# Altium PCB PCB_Template.PcbDoc (part 2 of 6) (continued)
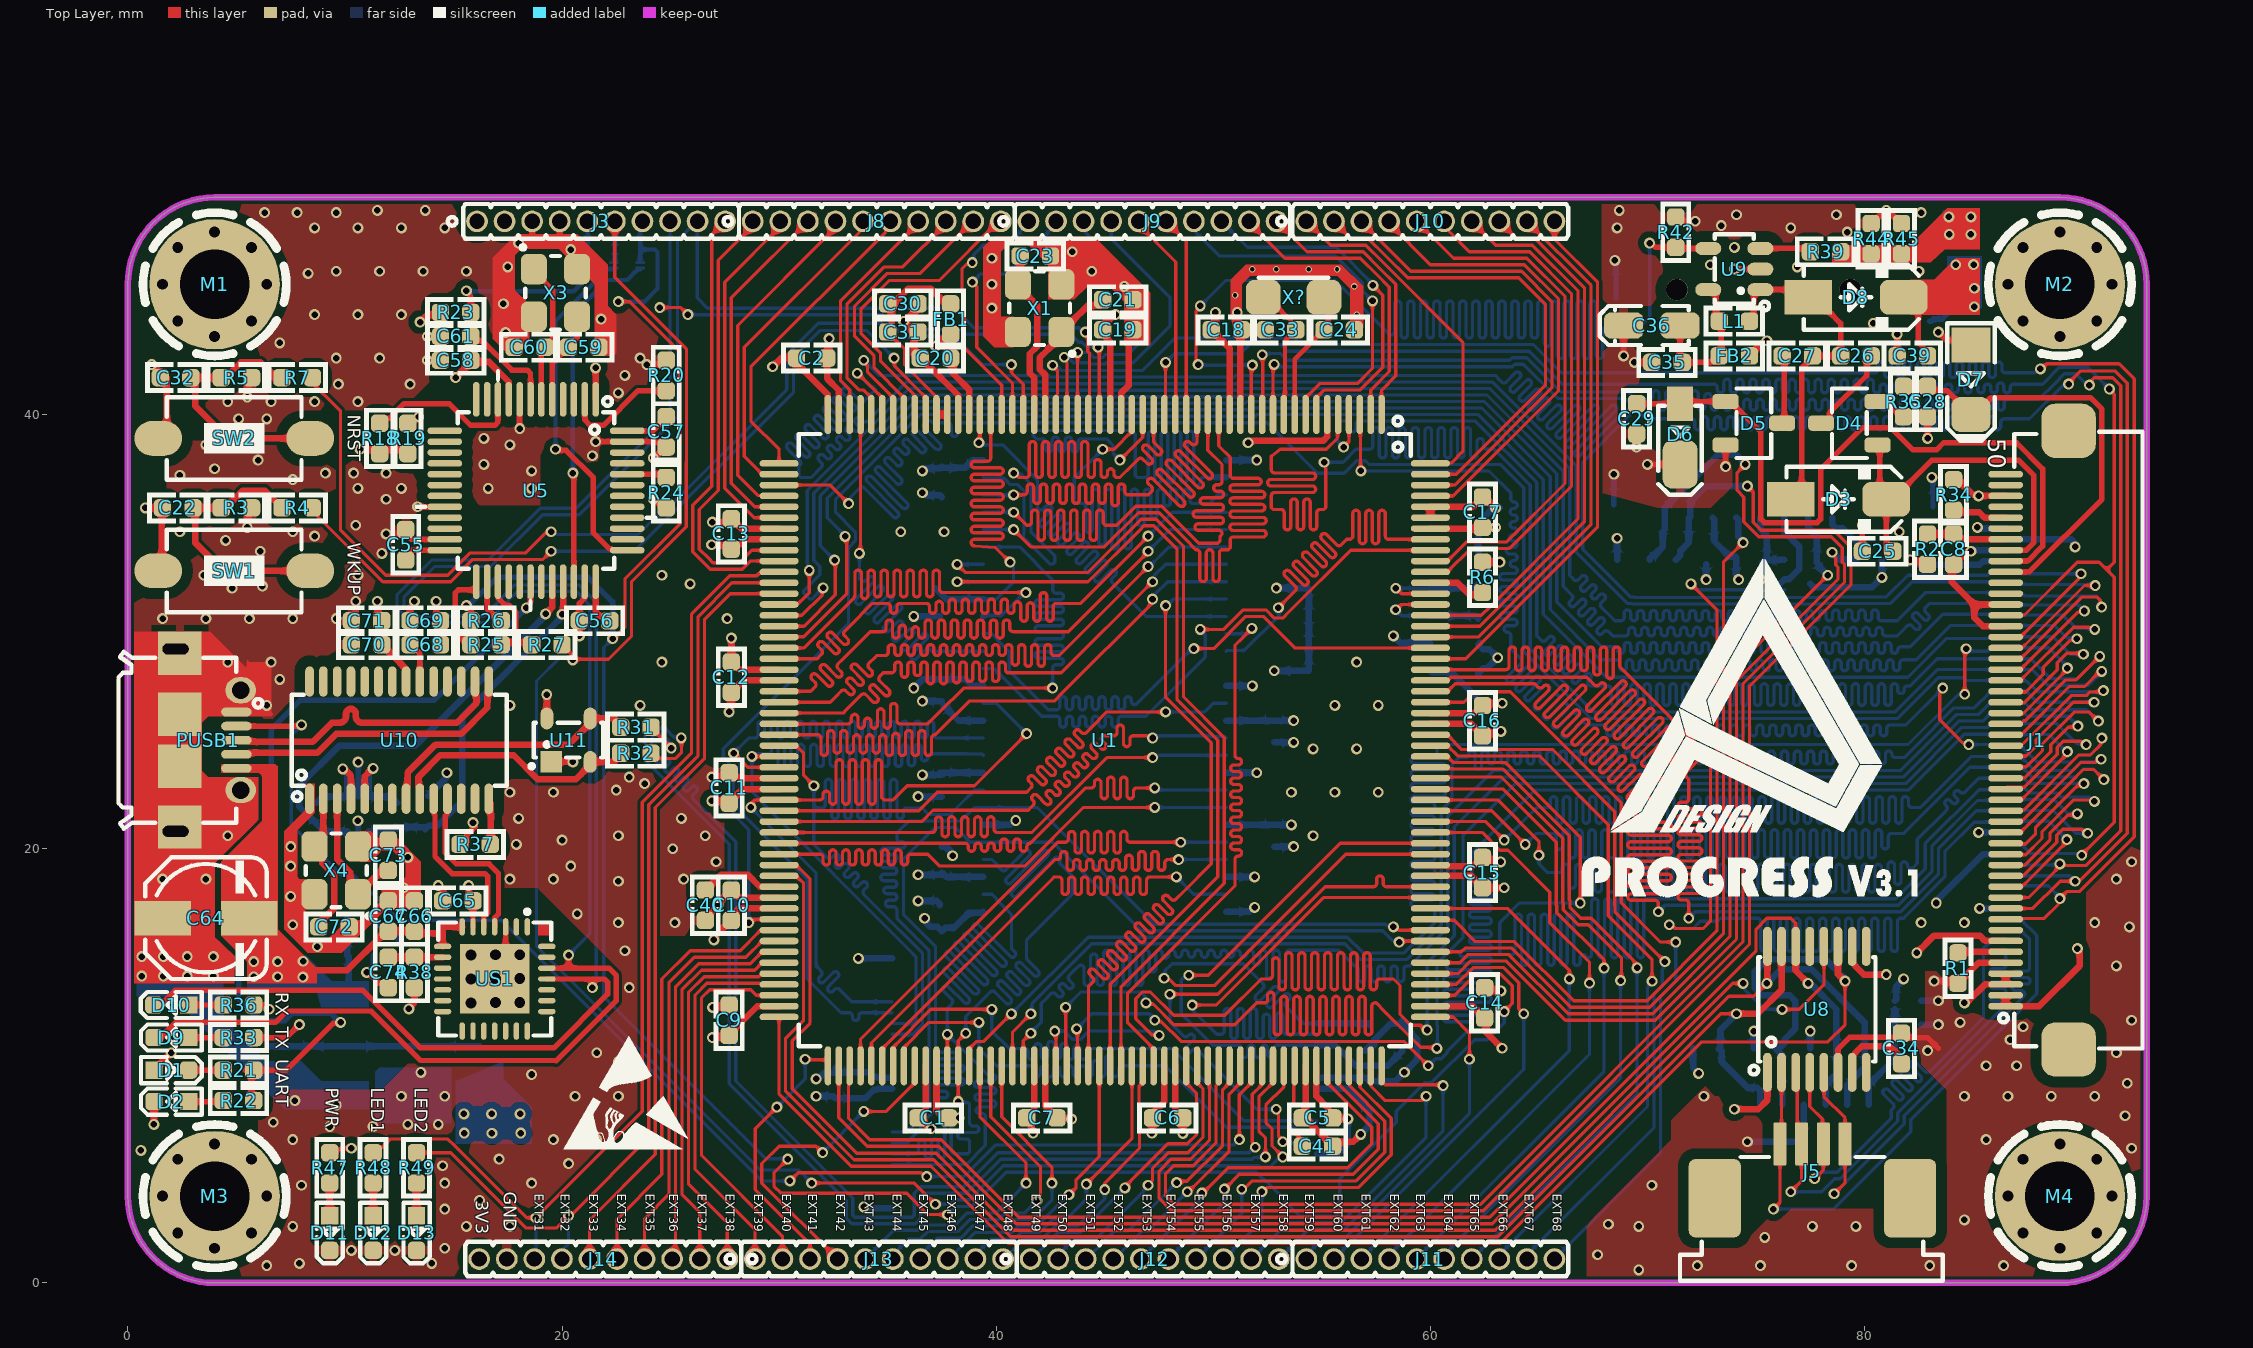
[diagram p0: Top Layer view]
## Nets (pads, with @x,y where several pads share a name; then routed paths per layer and width w, separated by ;. In a path a pad name is that pad's centre, name@x,y a point inside that pad or via, vN(x,y) a via of type N, cw(c..) or ccw(c..) an arc to the next point about the centre after c; other vN are vias at no path point) (continued)
  Bottom Layer w0.15: v1(47.2,25.1) 47.295,25.1 47.395,25.2 49.837,25.2 49.87,25.167 50.533,25.167 U2.44@50.6,25.1
FMC_D10: U1.87 U2.45 | length 29.6
  Top Layer w0.15: U1.87@30.75,20.75 36.975,20.75 37.05,20.75 ccw(c37.05,20.9) 37.2,20.9 37.2,21.312 cw(c37.35,21.312) 37.5,21.312 37.5,20.7 ccw(c37.65,20.7) 37.8,20.7 37.8,21.325 cw(c37.95,21.325) 38.1,21.325 38.1,20.7 ccw(c38.25,20.7) 38.4,20.7 38.4,21.325 cw(c38.55,21.325) 38.7,21.325 38.7,20.7 ccw(c38.85,20.7) 39,20.7 39,21.325 cw(c39.15,21.325) 39.3,21.325 39.3,20.7 ccw(c39.45,20.7) 39.6,20.7 39.6,21.325 cw(c39.75,21.325) 39.9,21.325 39.9,20.9 ccw(c40.05,20.9) 40.05,20.75 40.7,20.75 41.65,20.75 45.1,24.2 v1(47.2,24.2)
  Top Layer w0.3: U1.87@30,20.75 U1.87@30.75,20.75
  Bottom Layer w0.15: v1(47.2,24.2) 47.267,24.267 47.43,24.267 47.463,24.3 48.495,24.3 U2.45@50.6,24.3
FMC_D11: U1.88 U2.47 | length 29.8
  Top Layer w0.15: U1.88@30,20.25 35.787,20.25 38.562,20.25 cw(c38.562,20.1) 38.712,20.1 38.712,20.033 ccw(c38.862,20.033) 39.012,20.033 39.012,20.109 cw(c39.162,20.109) 39.312,20.109 39.312,20.033 ccw(c39.462,20.033) 39.612,20.033 39.612,20.117 cw(c39.762,20.117) 39.912,20.117 39.912,20.033 ccw(c40.062,20.033) 40.212,20.033 40.212,20.3 cw(c40.362,20.3) 40.512,20.3 40.512,20.033 ccw(c40.662,20.033) 40.812,20.033 40.812,20.3 cw(c40.962,20.3) 41.112,20.3 41.112,20.033 ccw(c41.262,20.033) 41.412,20.033 41.412,20.1 cw(c41.562,20.1) 41.562,20.25 41.574,20.25 42.1,20.776 44.124,22.8 44.3,22.8 44.375,22.8 ccw(c44.375,22.95) 44.525,22.95 44.525,23.051 cw(c44.675,23.051) 44.825,23.051 44.825,22.45 ccw(c44.975,22.45) 45.125,22.45 45.125,23.15 cw(c45.275,23.15) 45.425,23.15 45.425,22.45 ccw(c45.575,22.45) 45.725,22.45 45.725,23.15 cw(c45.875,23.15) 46.025,23.15 46.025,22.45 ccw(c46.175,22.45) 46.325,22.45 46.325,22.65 cw(c46.475,22.65) 46.475,22.8 46.719,22.8 v1(47.3,22.8)
  Bottom Layer w0.15: v1(47.3,22.8) 47.395,22.8 47.495,22.7 U2.47@50.6,22.7
FMC_D12: U1.89 U2.48 | length 29.5
  Top Layer w0.15: U1.89@30,19.75 31.5,19.75 31.875,19.75 cw(c31.875,19.6) 32.025,19.6 32.025,19.4 ccw(c32.175,19.4) 32.325,19.4 32.325,19.8 cw(c32.475,19.8) 32.625,19.8 32.625,19.4 ccw(c32.775,19.4) 32.925,19.4 32.925,19.8 cw(c33.075,19.8) 33.225,19.8 33.225,19.4 ccw(c33.375,19.4) 33.525,19.4 33.525,19.8 cw(c33.675,19.8) 33.825,19.8 33.825,19.4 ccw(c33.975,19.4) 34.125,19.4 34.125,19.8 cw(c34.275,19.8) 34.425,19.8 34.425,19.4 ccw(c34.575,19.4) 34.725,19.4 34.725,19.8 cw(c34.875,19.8) 35.025,19.8 35.025,19.4 ccw(c35.175,19.4) 35.325,19.4 35.325,19.8 cw(c35.475,19.8) 35.625,19.8 35.625,19.4 ccw(c35.775,19.4) 35.925,19.4 35.925,19.6 cw(c36.075,19.6) 36.075,19.75 36.675,19.75 36.85,19.75 37.397,19.203 41.307,19.203 44.004,21.9 v1(47.3,21.9)
  Bottom Layer w0.15: v1(47.3,21.9) U2.48@50.6,21.9
FMC_D13: U1.108 U2.50 | length 29.5
  Top Layer w0.15: U1.108@33.75,10 33.75,11.222 42.828,20.3 43.1,20.3 43.175,20.3 ccw(c43.175,20.45) 43.325,20.45 43.325,20.647 cw(c43.475,20.647) 43.625,20.647 43.625,19.95 ccw(c43.775,19.95) 43.925,19.95 43.925,20.65 cw(c44.075,20.65) 44.225,20.65 44.225,19.95 ccw(c44.375,19.95) 44.525,19.95 44.525,20.65 cw(c44.675,20.65) 44.825,20.65 44.825,19.95 ccw(c44.975,19.95) 45.125,19.95 45.125,20.65 cw(c45.275,20.65) 45.425,20.65 45.425,19.95 ccw(c45.575,19.95) 45.725,19.95 45.725,20.65 cw(c45.875,20.65) 46.025,20.65 46.025,20.45 ccw(c46.175,20.45) 46.175,20.3 46.688,20.3 v1(48.5,20.3)
  Bottom Layer w0.15: v1(48.5,20.3) U2.50@50.6,20.3
FMC_D14: U1.109 U2.51 | length 29.6
  Top Layer w0.15: U1.109@34.25,10 34.25,11.05 42.7,19.5 42.738,19.5 42.813,19.5 ccw(c42.813,19.65) 42.963,19.65 42.963,19.727 cw(c43.113,19.727) 43.263,19.727 43.263,19.15 ccw(c43.413,19.15) 43.563,19.15 43.563,19.35 cw(c43.713,19.35) 43.863,19.35 43.863,19.15 ccw(c44.013,19.15) 44.163,19.15 44.163,19.35 cw(c44.313,19.35) 44.463,19.35 44.463,19.15 ccw(c44.613,19.15) 44.763,19.15 44.763,19.35 cw(c44.913,19.35) 45.063,19.35 45.063,19.15 ccw(c45.213,19.15) 45.363,19.15 45.363,19.35 cw(c45.513,19.35) 45.663,19.35 45.663,19.15 ccw(c45.813,19.15) 45.963,19.15 45.963,19.555 cw(c46.113,19.555) 46.263,19.555 46.263,19.15 ccw(c46.413,19.15) 46.563,19.15 46.563,19.727 cw(c46.713,19.727) 46.863,19.727 46.863,19.15 ccw(c47.013,19.15) 47.163,19.15 47.163,19.727 cw(c47.313,19.727) 47.463,19.727 47.463,19.15 ccw(c47.613,19.15) 47.763,19.15 47.763,19.35 cw(c47.913,19.35) 47.913,19.5 v1(48.4,19.5)
  Bottom Layer w0.15: v1@48.2,19.5 v1(48.4,19.5) U2.51@50.6,19.5
FMC_D15: U1.110 U2.53 | length 29.8
  Top Layer w0.15: U1.110@34.75,10 34.75,10.78 42.575,18.606 42.67,18.7 42.875,18.7 cw(c42.875,18.55) 43.025,18.55 43.025,18.039 ccw(c43.175,18.039) 43.325,18.039 43.325,18.55 cw(c43.475,18.55) 43.625,18.55 43.625,18.039 ccw(c43.775,18.039) 43.925,18.039 43.925,18.55 cw(c44.075,18.55) 44.225,18.55 44.225,18.039 ccw(c44.375,18.039) 44.525,18.039 44.525,18.55 cw(c44.675,18.55) 44.825,18.55 44.825,18.039 ccw(c44.975,18.039) 45.125,18.039 45.125,18.55 cw(c45.275,18.55) 45.425,18.55 45.425,18.039 ccw(c45.575,18.039) 45.725,18.039 45.725,18.55 cw(c45.875,18.55) 46.025,18.55 46.025,18.039 ccw(c46.175,18.039) 46.325,18.039 46.325,18.55 cw(c46.475,18.55) 46.475,18.7 cw(c46.475,18.55) 46.625,18.55 46.625,18.039 ccw(c46.775,18.039) 46.925,18.039 46.925,18.55 cw(c47.075,18.55) 47.075,18.7 47.525,18.7 v1(48.3,18.7)
  Bottom Layer w0.15: v1(48.3,18.7) 49.1,17.9 U2.53@50.6,17.9
FMC_NBL0: U1.200 U2.15 | length 29.8
  Top Layer w0.15: v1(49.4,30.1) 50.476,30.1 51.376,31 52.428,31 52.803,30.625 53.197,30.625 53.475,30.903 56.321,33.75 U1.200@60,33.75
  Bottom Layer w0.15: U2.15@39.4,28.3 39.9,28.3 42.1,26.1 42.4,26.1 42.775,26.1 cw(c42.775,25.95) 42.925,25.95 42.925,25.75 ccw(c43.075,25.75) 43.225,25.75 43.225,25.95 cw(c43.375,25.95) 43.525,25.95 43.525,25.75 ccw(c43.675,25.75) 43.825,25.75 43.825,25.95 cw(c43.975,25.95) 44.125,25.95 44.125,25.75 ccw(c44.275,25.75) 44.425,25.75 44.425,25.95 cw(c44.575,25.95) 44.725,25.95 44.725,25.75 ccw(c44.875,25.75) 45.025,25.75 45.025,25.95 cw(c45.175,25.95) 45.325,25.95 45.325,25.75 ccw(c45.475,25.75) 45.625,25.75 45.625,25.95 cw(c45.775,25.95) 45.775,26.1 46.5,26.1 46.9,26.1 49.625,28.825 49.625,29.837 49.4,30.062 v1(49.4,30.1)
FMC_NBL1: U1.201 U2.39 | length 29.7
  Top Layer w0.15: v1(53,31.1) 53.3,31.4 53.777,31.877 ccw(c53.671,31.983) 53.777,32.089 53.301,32.566 cw(c53.407,32.672) 53.301,32.778 cw(c53.407,32.672) 53.513,32.778 54.113,32.178 ccw(c54.219,32.284) 54.325,32.178 ccw(c54.219,32.284) 54.325,32.39 53.725,32.99 cw(c53.831,33.096) 53.725,33.202 cw(c53.831,33.096) 53.937,33.202 54.537,32.602 ccw(c54.644,32.708) 54.75,32.602 ccw(c54.644,32.708) 54.75,32.814 54.149,33.415 cw(c54.255,33.521) 54.149,33.627 cw(c54.255,33.521) 54.361,33.627 54.962,33.026 ccw(c55.068,33.132) 55.174,33.026 ccw(c55.068,33.132) 55.174,33.238 54.573,33.839 cw(c54.68,33.945) 54.573,34.051 cw(c54.68,33.945) 54.786,34.051 55.386,33.451 ccw(c55.492,33.557) 55.598,33.451 ccw(c55.492,33.557) 55.598,33.663 54.998,34.263 cw(c55.104,34.369) 54.998,34.475 cw(c55.104,34.369) 55.21,34.475 55.686,33.999 ccw(c55.793,34.105) 55.899,33.999 56.15,34.25 56.2,34.25 56.275,34.25 ccw(c56.275,34.4) 56.425,34.4 56.425,35.437 cw(c56.575,35.437) 56.725,35.437 56.725,34.2 ccw(c56.875,34.2) 57.025,34.2 57.025,35.437 cw(c57.175,35.437) 57.325,35.437 57.325,34.2 ccw(c57.475,34.2) 57.625,34.2 57.625,35.437 cw(c57.775,35.437) 57.925,35.437 57.925,34.4 ccw(c58.075,34.4) 58.075,34.25 58.9,34.25 U1.201@60,34.25
  Bottom Layer w0.15: U2.39@50.6,29.1 50.636,29.136 51.436,29.136 53.014,30.714 53.014,31.086 v1(53,31.1)
FMC_NCE2: R10.1 U1.173 U3.9 | length 29.7
  Top Layer w0.15: v1(48.869,14.169) 49.769,14.169 50.161,14.561 55.85,20.25 U1.173@60,20.25
  Bottom Layer w0.15: v1(48.869,14.169) 48.774,14.169 48.659,14.054 48.613,14.054 48.525,13.966 48.525,12.403 49.978,10.95 50.8,10.95 51.15,10.95 cw(c51.15,10.8) 51.3,10.8 51.3,10.535 ccw(c51.45,10.535) 51.6,10.535 51.6,10.801 cw(c51.75,10.801) 51.9,10.801 51.9,10.535 ccw(c52.05,10.535) 52.2,10.535 52.2,10.801 cw(c52.35,10.801) 52.5,10.801 52.5,10.535 ccw(c52.65,10.535) 52.8,10.535 52.8,10.8 cw(c52.95,10.8) 52.95,10.95 53.025,10.95 U3.9@54.8,10.95
  Bottom Layer w0.3: U3.9@54.8,10.95 55.614,10.95 56.564,10 58.03,10 58.45,10.42 58.45,10.423 58.7,10.673 R10.1@58.7,10.7
FMC_NOE: U1.168 U3.8 | length 30.8
  Top Layer w0.15: v1(49.031,12.8) 50.124,12.8 55.074,17.75 U1.168@60,17.75
  Bottom Layer w0.15: v1(49.031,12.8) 49.098,12.733 49.098,12.502 50.15,11.45 50.275,11.45 50.35,11.45 ccw(c50.35,11.6) 50.5,11.6 50.5,12.492 cw(c50.65,12.492) 50.8,12.492 50.8,11.4 ccw(c50.95,11.4) 51.1,11.4 51.1,12.492 cw(c51.25,12.492) 51.4,12.492 51.4,11.4 ccw(c51.55,11.4) 51.7,11.4 51.7,12.492 cw(c51.85,12.492) 52,12.492 52,11.4 ccw(c52.15,11.4) 52.3,11.4 52.3,12.229 cw(c52.45,12.229) 52.6,12.229 52.6,11.4 ccw(c52.75,11.4) 52.9,11.4 52.9,12.295 cw(c53.05,12.295) 53.2,12.295 53.2,11.6 ccw(c53.35,11.6) 53.35,11.45 53.9,11.45 U3.8@54.8,11.45
FMC_NWAIT: R9.1 U1.172 U3.7 | length 29.8
  Top Layer w0.15: v1(47.736,14.036) 47.803,13.969 48.003,13.969 48.278,13.694 50.047,13.694 56.102,19.75 U1.172@60,19.75
  Bottom Layer w0.15: v1(47.736,14.036) 47.772,14.072 47.772,14.372 48.1,14.7 51.37,14.7 52.025,14.044 52.291,13.779 cw(c52.185,13.673) 52.291,13.567 51.968,13.244 ccw(c52.074,13.138) 51.968,13.032 ccw(c52.074,13.138) 52.18,13.032 52.757,13.609 cw(c52.863,13.503) 52.969,13.609 cw(c52.863,13.503) 52.969,13.397 52.508,12.935 ccw(c52.614,12.829) 52.508,12.723 ccw(c52.614,12.829) 52.72,12.723 53.281,13.284 cw(c53.387,13.178) 53.493,13.284 cw(c53.387,13.178) 53.493,13.072 53.351,12.931 ccw(c53.457,12.824) 53.351,12.718 53.585,12.485 54.12,11.95 U3.7@54.8,11.95
  Bottom Layer w0.3: U3.7@54.8,11.95 57.151,11.95 R9.1@57.2,11.9
FMC_NWE: U1.169 U3.18 | length 27.2
  Top Layer w0.15: v1(48,13.3) 50.2,13.3 55.15,18.25 57.3,18.25 57.375,18.25 ccw(c57.375,18.4) 57.525,18.4 57.525,18.6 cw(c57.675,18.6) 57.825,18.6 57.825,18.4 ccw(c57.975,18.4) 57.975,18.25 58.6,18.25 U1.169@60,18.25 ; v1(52.9,8) 52.967,7.933 52.967,7.775 53.004,7.737 53.004,6.763 53.2,6.567 v1(53.2,6.5)
  Bottom Layer w0.15: v1(48,13.3) 48,12 48.3,11.7 48.623,11.377 ccw(c48.729,11.483) 48.835,11.377 48.875,11.417 cw(c48.981,11.311) 49.087,11.417 cw(c48.981,11.311) 49.087,11.205 48.697,10.815 ccw(c48.803,10.709) 48.697,10.603 ; 48.697,10.603 ccw(c48.803,10.709) 48.909,10.603 ; 48.909,10.603 49.047,10.741 cw(c49.153,10.635) 49.259,10.741 49.312,10.688 52,8 v1(52.9,8) ; v1(53.2,6.5) 53.25,6.45 U3.18@54.8,6.45
FMC_SDCKE0: U1.38 U2.37 | length 29.7
  Top Layer w0.15: v1(39.2,38.7) 39.25,38.75 U1.38@39.25,40
  Bottom Layer w0.15: v1(39.2,38.7) 39.3,38.6 40.3,38.6 41.9,37 41.9,35.7 41.953,35.647 ccw(c42.059,35.753) 42.165,35.647 42.307,35.788 cw(c42.413,35.682) 42.519,35.788 cw(c42.413,35.682) 42.519,35.576 42.024,35.081 ccw(c42.13,34.975) 42.024,34.869 ccw(c42.13,34.975) 42.236,34.869 42.731,35.364 cw(c42.837,35.258) 42.943,35.364 cw(c42.837,35.258) 42.943,35.152 42.448,34.657 ccw(c42.554,34.551) 42.448,34.445 ccw(c42.554,34.551) 42.66,34.445 43.155,34.94 cw(c43.261,34.834) 43.367,34.94 cw(c43.261,34.834) 43.367,34.728 42.872,34.233 ccw(c42.978,34.127) 42.872,34.021 ccw(c42.978,34.127) 43.084,34.021 43.579,34.516 cw(c43.685,34.41) 43.792,34.516 cw(c43.685,34.41) 43.792,34.303 43.297,33.808 ccw(c43.403,33.702) 43.297,33.596 ccw(c43.403,33.702) 43.509,33.596 44.004,34.091 cw(c44.11,33.985) 44.216,34.091 cw(c44.11,33.985) 44.216,33.879 43.721,33.384 ccw(c43.827,33.278) 43.721,33.172 ccw(c43.827,33.278) 43.933,33.172 44.428,33.667 cw(c44.534,33.561) 44.64,33.667 cw(c44.534,33.561) 44.64,33.455 44.145,32.96 ccw(c44.251,32.854) 44.145,32.748 ccw(c44.251,32.854) 44.357,32.748 44.852,33.243 cw(c44.958,33.137) 45.064,33.243 cw(c44.958,33.137) 45.064,33.031 44.569,32.536 ccw(c44.675,32.43) 44.569,32.324 ccw(c44.675,32.43) 44.781,32.324 45.276,32.819 cw(c45.383,32.712) 45.489,32.819 cw(c45.383,32.712) 45.489,32.606 45.347,32.465 ccw(c45.453,32.359) 45.347,32.253 45.65,31.95 46.9,30.7 U2.37@50.6,30.7
FMC_SDCLK: U1.135 U2.38 | length 29.9
  Top Layer w0.15: U1.135@47.25,10 47.25,10.78 46.05,11.98 46.05,13.35 51,18.3 51,19.133 51,19.508 cw(c51.15,19.508) 51.15,19.658 51.154,19.658 ccw(c51.154,19.808) 51.154,19.958 50.95,19.958 cw(c50.95,20.108) 50.95,20.258 51.154,20.258 ccw(c51.154,20.408) 51.154,20.558 50.95,20.558 cw(c50.95,20.708) 50.95,20.858 51.154,20.858 ccw(c51.154,21.008) 51.154,21.158 50.95,21.158 cw(c50.95,21.308) 50.95,21.458 51.154,21.458 ccw(c51.154,21.608) 51.154,21.758 50.95,21.758 cw(c50.95,21.908) 50.95,22.058 51.154,22.058 ccw(c51.154,22.208) 51.154,22.358 50.95,22.358 cw(c50.95,22.508) 50.95,22.658 51.154,22.658 ccw(c51.154,22.808) 51.154,22.958 50.95,22.958 cw(c50.95,23.108) 50.95,23.258 51.154,23.258 ccw(c51.154,23.408) 51.154,23.558 50.95,23.558 cw(c50.95,23.708) 50.95,23.858 51.154,23.858 ccw(c51.154,24.008) 51.154,24.158 51.15,24.158 cw(c51.15,24.308) 51,24.308 51,24.683 51,29.372 51.325,29.697 v1(51.778,30.15)
  Bottom Layer w0.15: U2.38@50.6,29.9 51.528,29.9 v1(51.778,30.15)
FMC_SDNE0: R8.1 U1.37 U2.19 | length 30.2
  Top Layer w0.15: U1.37@39.75,40 39.75,38.4 39.75,38 cw(c39.6,38) 39.6,37.85 38.994,37.85 ccw(c38.994,37.7) 38.994,37.55 40.175,37.55 cw(c40.175,37.4) 40.175,37.25 38.994,37.25 ccw(c38.994,37.1) 38.994,36.95 40.175,36.95 cw(c40.175,36.8) 40.175,36.65 38.994,36.65 ccw(c38.994,36.5) 38.994,36.35 40.175,36.35 cw(c40.175,36.2) 40.175,36.05 38.994,36.05 ccw(c38.994,35.9) 38.994,35.75 40.175,35.75 cw(c40.175,35.6) 40.175,35.45 38.994,35.45 ccw(c38.994,35.3) 38.994,35.15 40.175,35.15 cw(c40.175,35) 40.175,34.85 38.994,34.85 ccw(c38.994,34.7) 38.994,34.55 40.175,34.55 cw(c40.175,34.4) 40.175,34.25 38.994,34.25 ccw(c38.994,34.1) 38.994,33.95 39.961,33.876 ; 39.962,33.875 40.037,33.8 v1(40.637,33.2)
  Bottom Layer w0.15: U2.19@39.4,31.5 39.995,31.5 40.131,31.636 40.136,31.636 40.8,32.3 40.8,32.942 40.637,33.105 v1(40.637,33.2)
  Bottom Layer w0.3: R8.1@37.2,32 37.7,31.5 U2.19@39.4,31.5
FMC_SDNRAS: U1.70 U2.18 | length 30.3
  Top Layer w0.15: U1.70@30,29.25 31.15,29.25 33.34,31.44 33.415,31.515 ccw(c33.234,31.696) 33.49,31.696 33.49,32.684 cw(c33.64,32.684) 33.79,32.684 33.79,31.664 ccw(c33.94,31.664) 34.09,31.664 34.09,32.684 cw(c34.24,32.684) 34.39,32.684 34.39,31.75 ccw(c34.54,31.75) 34.69,31.75 34.69,32.684 cw(c34.84,32.684) 34.99,32.684 34.99,31.75 ccw(c35.14,31.75) 35.29,31.75 35.29,32.684 cw(c35.44,32.684) 35.59,32.684 35.59,31.75 ccw(c35.74,31.75) 35.89,31.75 35.89,32.684 cw(c36.04,32.684) 36.19,32.684 36.19,31.75 ccw(c36.34,31.75) 36.49,31.75 36.49,32.684 cw(c36.64,32.684) 36.79,32.684 36.79,31.75 ccw(c36.94,31.75) 37.09,31.75 37.09,32.684 cw(c37.24,32.684) 37.39,32.684 37.39,31.95 ccw(c37.54,31.95) 37.54,31.8 38.038,31.8 v1(41.369,31.8)
  Bottom Layer w0.15: U2.18@39.438,30.738 40.238,30.738 41.3,31.8 v1(41.369,31.8)
  Bottom Layer w0.3: U2.18@39.4,30.7 U2.18@39.438,30.738
FMC_SDNRCAS: U1.191 U2.17 | length 30.6
  Top Layer w0.15: v1(49.106,29.221) 50.021,29.221 51.5,30.7 52.3,30.7 53.75,29.25 U1.191@60,29.25
  Bottom Layer w0.15: U2.17@39.4,29.9 39.805,29.9 40.022,29.684 40.022,29.65 40.6,29.072 40.6,28.2 42.4,26.4 42.7,26.4 42.775,26.4 ccw(c42.775,26.55) 42.925,26.55 42.925,26.853 cw(c43.075,26.853) 43.225,26.853 43.225,26.55 ccw(c43.375,26.55) 43.525,26.55 43.525,26.853 cw(c43.675,26.853) 43.825,26.853 43.825,26.55 ccw(c43.975,26.55) 44.125,26.55 44.125,26.853 cw(c44.275,26.853) 44.425,26.853 44.425,26.55 ccw(c44.575,26.55) 44.725,26.55 44.725,26.853 cw(c44.875,26.853) 45.025,26.853 45.025,26.55 ccw(c45.175,26.55) 45.325,26.55 45.325,26.853 cw(c45.475,26.853) 45.625,26.853 45.625,26.55 ccw(c45.775,26.55) 45.925,26.55 45.925,26.853 cw(c46.075,26.853) 46.225,26.853 46.225,26.787 ccw(c46.375,26.787) 46.481,26.681 46.7,26.9 49.164,29.364 49.164,29.279 v1(49.106,29.221) v1@49.126,29.2
FMC_SDNWE: U1.49 U2.16 | length 30.3
  Top Layer w0.15: v1(33.7,33.6) 33.75,33.65 U1.49@33.75,40
  Bottom Layer w0.15: v1(33.7,33.6) 33.7,32.76 33.7,32.428 33.773,32.355 ccw(c33.879,32.461) 33.985,32.355 34.127,32.497 cw(c34.233,32.391) 34.339,32.497 cw(c34.233,32.391) 34.339,32.284 33.561,31.507 ccw(c33.667,31.401) 33.561,31.295 ccw(c33.667,31.401) 33.773,31.295 34.551,32.072 cw(c34.657,31.966) 34.763,32.072 cw(c34.657,31.966) 34.763,31.86 33.985,31.082 ccw(c34.091,30.976) 33.985,30.87 ccw(c34.091,30.976) 34.197,30.87 34.975,31.648 cw(c35.081,31.542) 35.187,31.648 cw(c35.081,31.542) 35.187,31.436 34.41,30.658 ccw(c34.516,30.552) 34.41,30.446 ccw(c34.516,30.552) 34.622,30.446 35.399,31.224 cw(c35.505,31.118) 35.612,31.224 cw(c35.505,31.118) 35.612,31.012 34.834,30.234 ccw(c34.94,30.128) 34.834,30.022 ccw(c34.94,30.128) 35.046,30.022 35.47,30.446 cw(c35.576,30.34) 35.682,30.446 cw(c35.576,30.34) 35.682,30.234 35.258,29.81 ccw(c35.364,29.704) 35.258,29.598 ccw(c35.364,29.704) 35.47,29.598 35.965,30.092 cw(c36.071,29.986) 36.177,30.092 cw(c36.071,29.986) 36.177,29.88 35.682,29.385 ccw(c35.788,29.279) 35.682,29.173 ccw(c35.788,29.279) 35.894,29.173 36.59,29.868 cw(c36.696,29.762) 36.802,29.868 cw(c36.696,29.762) 36.802,29.656 36.107,28.961 ccw(c36.213,28.855) 36.107,28.749 ccw(c36.213,28.855) 36.319,28.749 36.743,29.173 cw(c36.849,29.067) 36.955,29.173 37.008,29.12 37.028,29.1 U2.16@39.4,29.1
GND: C1.2 C2.2 C3.2 C4.2 C5.2 C6.2 C7.2 C8.1 C9.2 C10.2 C11.2 C12.2 C13.2 C14.2 C15.2 C16.2 C17.2 C18.2 C19.2 C20.2 C21.1 C23.1 C24.1 C25.2 C28.2 C29.2 C30.2 C31.2 C33.1 C34.2 C35.1 C36.1 C37.1 C38.1 C39.2 C40.2 C41.2 C42.1 C43.1 C44.1 C45.1 C46.1 C47.1 C50.1 C51.1 C52.1 C53.1 C55.1 C56.1 C57.1 C58.1 C59.1 C60.1 C61.1 C62.2 C63.2 C64.1 C65.2 C66.2 C67.2 C68.2 C69.2 C70.2 C71.2 C72.1 C73.1 C74.2 D2.2 D5.2 D6.2 D7.1 D11.2 D12.2 D13.2 J1.5 J1.36 J1.38 J1.48 J2.3 J2.29 J2.36 J3.3 J3.4 J4.4 J6.6 J6.SH1 J6.SH2 J6.SH3 J6.SH4 J14.9 PUSB1.5 PUSB1.SH1 PUSB1.SH2 PUSB1.SH3 PUSB1.SH4 PUSB1.SH5 PUSB1.SH6 PUSB1.SH7 PUSB1.SH8 R1.1 R3.2 R5.2 R6.1 R19.1 R20.2 R24.2 R34.1 R37.2 R42.1 R44.2 R45.2 U1.14 U1.25 U1.40 U1.51 U1.60 U1.72 U1.82 U1.93 U1.114 U1.125 U1.136 U1.149 U1.170 U1.184 U1.202 U2.6 U2.12 U2.28 U2.41 U2.46 U2.52 U2.54 U3.13 U3.25 U3.36 U3.48 U4.1 U4.2 U4.3 U4.4 U4.7 U5.8 U5.20 U5.23 U5.35 U5.47 U6.2 U7.1 U8.6 U9.2 U10.1 U11.1 US1.3 US1.29 X1.2 X1.4 X3.2 X3.4 X4.2 X4.4 | length 189.7
  Top Layer w0.15: v4(15.8,15.1) US1.29@16.9,14 16.9,15.085 v4(16.932,15.117) ; US1.29@17.4,14.5 18.017,15.117 v4(18.054,15.117)
  Top Layer w0.25: C70.2@10.5,29.5 10.5,30.5 v1(10.5,31.4) ; v1(11,14.3) 11.048,14.252 11.121,14.252 11.562,13.811 11.989,13.811 C74.2@12,13.8 ; v1(11.9,34.5) 12.814,34.5 13.064,34.25 U5.23@14.6,34.25 ; R19.1@12.9,39.4 v1(13.4,39.9) ; v1(13.35,35.75) U5.20@14.6,35.75 ; v1(13.8,42.5) C58.1@14.4,42.5 C58.1@14.6,42.5 ; v1(13.8,43.6) C61.1@14.4,43.6 C61.1@14.6,43.6 ; C69.2@14.2,30.5 v1(14.2,31.4) ; v1(14.3,18.3) 14.579,18.021 14.579,17.721 C65.2@14.7,17.6 ; C68.2@14.5,29.5 C69.2@14.5,30.5 ; R37.2@15.5,20.2 15.621,20.321 15.621,20.621 v1@16,21 ; US1.29@16.9,14 17.4,14.5 US1.3@17.4,16.4 ; v1(18.05,39.35) U5.8@18.05,40.7 ; U11.1@19.5,24 v1(20.5,24) ; v1(20.8,29.8) C56.1@20.8,30.5 ; C56.1@20.8,30.514 20.8,31.299 21.04,31.539 21.04,32.29 U5.35@21.05,32.3 ; v1(21.55,38.75) U5.47@23,38.75 24.509,38.75 24.693,38.567 24.693,38.433 24.484,38.225 24.471,38.225 24.246,38 v1(24.2,38) ; v1(23.9,42.3) R20.2@24.8,42.3 ; v1(24.2,36.1) 24.268,36.1 24.439,35.929 24.771,35.929 R24.2@24.8,35.9 ; v1(68.9,42.7) C36.1@68.9,44.1 ; v1(69.4,42.4) C35.1@70.2,42.4 C35.1@70.4,42.4 ; v1(69.5,38.5) C29.2@69.5,39.1 C29.2@69.5,39.3 ; v1(70,37.7) D6.2@71.5,37.7 ; R42.1@71.3,48.9 v1(72.2,48.9) ; v1(73.6,37.6) D5.2@73.6,38.6 ; v1(74,46.7) U9.2@75.2,46.7 ; U8.6@78.775,9.7 78.775,10.775 79.325,11.325 81.675,11.325 81.7,11.3 82.9,11.3 83.4,10.8 ; C25.2@79.9,33.7 v1(79.9,34.9) ; R44.2@80.332,48.8 80.932,49.4 v1(81,49.4) 81.068,49.4 R45.2@81.868,48.6 ; C39.2@81.5,42.7 v1(81.5,43.7) ; v1(82.9,38.9) C28.2@82.9,39.9 C28.2@82.9,40.1 ; v1(83.4,43.8) 83.771,43.429 84.671,43.429 D7.1@84.9,43.2
  Top Layer w0.3: v1(1.204,7.304) D2.2@1.204,8.354 ; v1(5.5,34.8) R3.2@5.5,35.7 ; v1(5.5,40.8) R5.2@5.5,41.7 ; 18.6,48 18.625,48.025 J3.3@18.625,48.9 ; J3.4@19.895,48.9 19.895,48.105 20,48 ; C40.2@26.6,16.9 26.773,16.9 26.819,16.946 26.819,17.033 27.186,17.399 v2(27.186,17.412) 27.186,17.459 27.674,17.947 27.8,17.947 C10.2@27.8,18.1 27.827,18.1 28.178,17.75 U1.93@30,17.75 ; v1(26.889,34) C13.2@27.8,34 ; v1(26.9,23.3) C11.2@27.7,23.3 ; v1(26.939,12.693) 26.977,12.731 27.569,12.731 C9.2@27.607,12.693 ; C11.2@27.8,23.4 27.95,23.25 U1.82@30,23.25 ; v1(27.8,29.7) C12.2@27.8,28.6 27.827,28.6 28.178,28.25 U1.72@30,28.25 ; C13.2@27.8,33.8 28.019,34.019 28.219,34.019 28.45,34.25 U1.60@30,34.25 ; 32.2,42.2 32.209,42.191 32.209,41.661 32.75,41.12 U1.51@32.75,40 ; C2.2@32.2,42.6 32.262,42.662 32.262,43.462 v1(32.3,43.5) ; C30.2@36.2,44.7 35.833,44.333 35.775,44.333 v1(35.736,44.295) 36.012,44.019 36.154,44.019 36.2,43.973 36.2,43.831 36.2,42.75 36.25,42.7 36.25,42.65 36.4,42.5 36.627,42.5 36.777,42.35 36.786,42.35 38.25,40.886 U1.40@38.25,40 ; U1.114@36.75,10 36.75,9.114 36.75,7.977 36.4,7.627 C1.2@36.4,7.6 36.619,7.381 36.693,7.381 36.974,7.1 v1(37,7.1) ; U1.125@42.25,10 42.25,8.15 C7.2@42.8,7.6 43.365,7.6 43.415,7.55 v1(43.469,7.55) ; U1.25@45.75,40 45.75,40.986 46.1,41.336 46.1,43.7 C19.2@46.3,43.9 ; v1(47.175,6.895) 47.187,6.907 47.187,7.587 C6.2@47.2,7.6 ; C6.2@47.25,7.85 47.75,8.35 47.75,9.25 U1.136@47.75,10 ; C18.2@51.1,43.9 v1(51.1,44.7) ; U1.14@51.25,40.5 51.25,43.75 51.4,43.9 C33.1@52.4,43.9 ; C5.2@54,7.6 54.219,7.381 54.426,7.381 55.5,6.307 C41.2@55.5,6.3 55.7,6.5 56.449,6.5 v1(56.793,6.844) ; C5.2@54.1,7.6 54.25,7.75 U1.149@54.25,10 ; U1.170@60,18.75 61.878,18.75 62.427,18.2 v1(63.4,18.2) ; U1.184@60,25.75 61.878,25.75 62.327,25.3 62.334,25.307 63.099,25.307 63.192,25.4 v1(63.246,25.4) ; U1.202@60,34.75 C17.2@62.25,34.75 ; C17.2@62.35,34.75 C17.2@62.5,34.6 ; C14.2@62.5,13.4 62.589,13.489 63.211,13.489 v1(63.25,13.45) ; R6.1@62.5,33.1 62.6,33.2 v1(63.2,33.2) ; C17.2@62.6,34.8 v1(63,34.8) ; v1(83.2,13.9) 84.2,13.9 R1.1@84.3,13.8 ; C8.1@84.023,33.077 84.023,32.277 85.05,31.25 ; C8.1@84.1,33.1 84.662,33.662 84.862,33.662 v1(84.9,33.7) ; R1.1@84.4,13.9 85.25,14.75 J1.5@86.5,14.75 ; R34.1@84.4,36.9 85,36.3 85.059,36.3 85.07,36.288 85.212,36.288 v1(85.25,36.25) J1.48@86.5,36.25 ; J1.36@86.5,30.25 85.45,30.25 85.05,30.65 85.05,31.25 ; J1.38@86.5,31.25 85.05,31.25
  Bottom Layer w0.25: U6.2@10.608,22.4 v1(10.608,23.992) ; v1(11,14.3) 11.3,14.6 C63.2@11.3,15.1 ; J6.SH1@68.45,35.85 v1(68.45,37.25) ; v1(68.5,47.1) 68.5,47.032 68.55,46.982 J6.SH2@68.55,45.35 ; 83,44.3 83.068,44.3 83.166,44.398 83.575,44.398 84.05,44.873 J6.SH3@84.05,45.35 ; v1(83.1,37.1) 83.15,37.05 J6.SH4@83.15,35.75
  Bottom Layer w0.3: C4.2@11.502,16.579 11.721,16.36 11.94,16.36 12.5,15.8 ; v1(31.7,8.6) 32.5,8.6 C43.1@32.6,8.5 33.963,8.5 34.364,8.9 34.5,8.9 34.55,8.95 U3.36@35.2,8.95 ; v1(33.65,14.95) U3.48@35.2,14.95 ; v1(33.9,3.5) 33.954,3.5 34.004,3.45 U3.25@35.2,3.45 ; v1(36.4,17.6) 37.254,17.6 37.4,17.454 C44.1@37.4,17.4 ; v1(36.4,22.4) C46.1@37.5,22.4 ; v1(36.6,26.8) C47.1@37.5,26.8 ; v1(36.6,36.4) 36.654,36.4 36.774,36.28 37.42,36.28 C50.1@37.5,36.2 ; C45.1@37.5,20.1 37.673,20.1 37.956,19.817 37.956,19.716 v1(37.995,19.678) ; C47.1@37.591,26.582 38.273,25.9 U2.12@39.4,25.9 ; U2.6@39.4,21.1 40.646,21.1 40.846,21.3 v1(40.9,21.3) ; U2.54@50.6,17.1 51.646,17.1 51.846,17.3 v1(51.9,17.3) ; U2.52@50.6,18.7 v1(51.9,18.7) ; U2.46@50.6,23.5 v1(52,23.5) ; U2.41@50.6,27.5 v1(51.8,27.5) ; U2.28@50.6,37.9 v1(52,37.9) ; C51.1@52.8,20.1 v1(53.7,20.1) ; C52.1@52.8,24.9 v1(53.7,24.9) ; v1(52.805,28.195) U4.1@54.4,28.195 U4.2@54.4,29.465 U4.3@54.4,30.735 U4.4@54.4,32.005 v1(52.905,32.005) ; U3.13@54.8,8.95 56.123,8.95 C42.1@57.187,7.886 ; v1(56.793,6.844) 57.174,7.226 57.174,7.874 C42.1@57.187,7.886 ; C42.1@57.2,7.9 C42.1@57.187,7.886 ; v1(58.3,29.8) 58.635,29.465 U4.7@60,29.465 ; J6.6@73,35.25 73.077,35.173 73.077,34.16 73.794,33.442 74.058,33.442 74.08,33.42 74.08,32.574 74.2,32.454 v1(74.2,32.4) ; v1(74.6,6.5) 77.024,6.5 77.2,6.676 J4.4@77.2,8.2 ; C38.1@82.6,11.9 C38.1@82.8,11.9 v1(83.4,11.9) ; C37.1@82.6,13 C37.1@82.8,13 v1(83.4,13) ; v1(84.9,33.7) 84.954,33.7 85.004,33.75 J2.3@86.5,33.75 ; v1(85.25,20.75) J2.29@86.5,20.75 ; v1@85.3,17.3 v1(85.3,17.25) J2.36@86.5,17.25
  other v1: 7.6,2.6 15.6,2.6 17.6,2.6 69.6,2.6 77.6,2.6 79.6,2.6 14.6,4.6 18.6,4.6 7.6,6.6 19.6,6.6 21.6,6.6 85.6,6.6 12.6,8.6 14.6,8.6 20.6,8.6 22.6,8.6 72.6,8.6 84.6,8.6 86.6,8.6 88.6,8.6 90.6,8.6 21.6,10.6 91.6,10.6 91.6,14.6 22.6,16.6 82.6,16.6 84.6,16.6 90.6,16.6 1.6,18.6 3.6,18.6 17.6,18.6 19.6,18.6 25.6,18.6 91.6,18.6 4.6,20.6 22.6,20.6 26.6,20.6 54.6,20.6 15.9,21.2 17.6,22.6 19.6,22.6 53.6,22.6 55.6,22.6 57.6,22.6 54.6,24.6 56.6,24.6 17.6,26.6 23.6,26.6 55.6,26.6 57.6,26.6 4.6,28.6 6.6,28.6 24.6,28.6 56.6,28.6 1.6,30.6 3.6,30.6 5.6,30.6 7.6,30.6 9.6,30.6 27.6,30.6 10.6,32.6 24.6,32.6 7.6,34.6 35.6,34.6 37.6,34.6 81.6,34.6 10.6,36.6 12.6,36.6 16.6,36.6 18.6,36.6 3.6,38.6 17.6,38.6 4.6,40.6 6.6,40.6 8.6,40.6 10.6,40.6 9.6,42.6 11.6,42.6 23.6,42.6 17.405,43.771 21.8,44.4 8.6,44.6 10.6,44.6 12.6,44.6 17.3,45.1 9.6,46.6 11.6,46.6 13.6,46.6 15.6,46.6 17.5,46.8 20.4,47.6 18,47.9 8.6,48.6 10.6,48.6 12.6,48.6 14.6,48.6 68.6,48.6 76.6,48.6
  other v2: 69.6,0.6 6.4,0.8 72.3,0.8 75.2,0.8 79.4,0.8 83,0.8 86.4,0.8 7.9,0.9 14,0.9 67.7,1.3 10.3,1.5 12.3,1.5 14.6,1.6 75.4,2.1 68.2,2.7 84.6,2.9 14.6,3.4 16.2,3.8 8,4.5 70.2,4.5 14.5,5.4 20.3,5.5 17.1,5.7 0.6,6.1 92.3,6.2 9.3,7.2 11.3,7.2 12.9,7.3 14.3,7.3 6.7,7.4 92,7.7 9.6,8.2 7.7,8.4 92.1,9.2 18.6,9.6 13.5,9.7 85.6,10 87,10 22.6,10.2 82.9,10.7 86.7,11.2 87.3,11.8 84.4,12 92.3,12.1 23.1,13.6 0.639,14.129 1.639,14.129 2.739,14.129 3.939,14.129 0.639,15.029 1.639,15.029 2.739,15.029 3.939,15.029 22.9,15.3 8.734,15.495 92.2,16.4 7.6,16.5 25.2,16.6 20.7,17 7.5,17.8 12.7,18.2 22.6,18.5 7.5,19.2 20.4,19.2 27.1,19.4 92.3,19.4 12.9,19.6 25.1,20 7.505,20.094 17.9,20.2 20,20.4 18,21.4 25.5,21.4 22.5,22.7 23.8,23 23.1,23.3 6.4,26.6 7,27.8 4.8,32 6.2,32.1 25.9,32.2 3.5,32.6 11.7,33.6 6.1,33.7 4.5,34.2 8.6,34.4 2.4,34.6 10.5,34.9 11.9,36.1 7.6,37 2.4,37.2 9.1,37.3 10.4,37.3 11.9,37.3 18.6,37.4 4,37.5 16.4,37.7 6,37.9 21.4,38.1 16.4,38.9 5.1,39.8 6.4,39.8 22.6,41 9.7,41.4 13,41.4 22.9,41.8 7,43.3 80.4,44.2 39.8,44.9 45.9,45.9 39.8,46 8.3,46.5 44.4,46.6 80.8,46.6 82.5,46.6 76.9,46.8 72.9,46.9 39.8,47.2 43.5,47.5 74,47.7 79.2,48.4 73.4,48.7 74.1,49.2 78.7,49.2 6.3,49.3 7.8,49.3 9.6,49.3 82.6,49.3 11.5,49.4 13.7,49.4 68.7,49.4
  other v4: 15.8,12.9 16.932,12.917 18.054,12.917 15.8,14 16.932,14.017 18.054,14.017
  other v5: 56.6,44.6 51,45.5 56.5,45.9 51.8,46.7 52.9,46.7 54.4,46.7 55.7,46.7